# Altium PCB MB1261.PcbDoc (part 3 of 6) (continued)
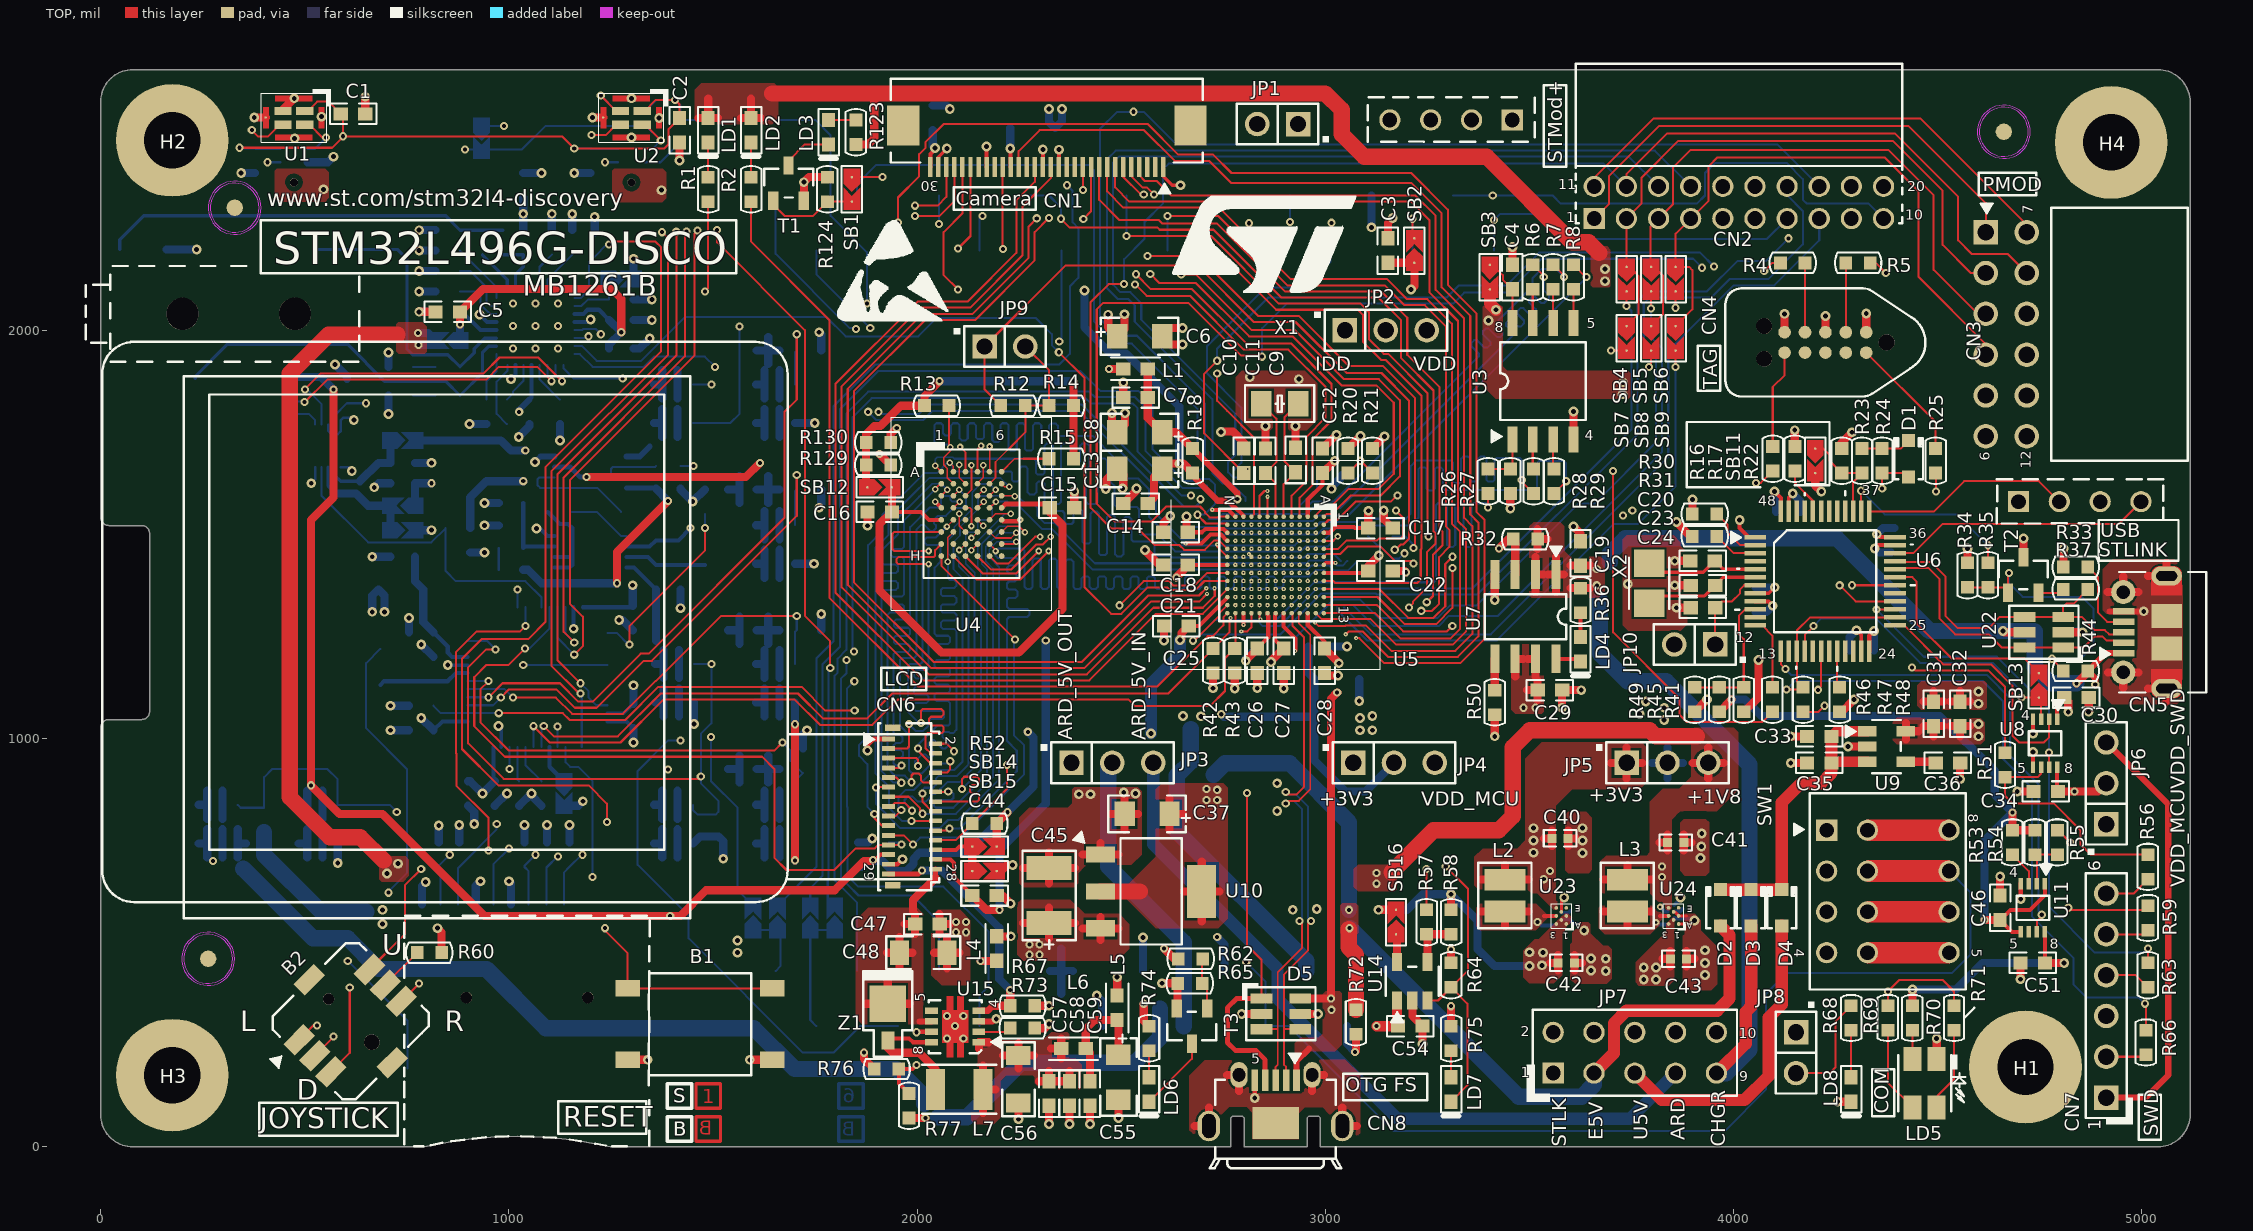
[diagram p0: TOP view]
## Nets (pads, with @x,y where several pads share a name; then routed paths per layer and width w, separated by ;. In a path a pad name is that pad's centre, name@x,y a point inside that pad or via, vN(x,y) a via of type N, cw(c..) or ccw(c..) an arc to the next point about the centre after c; other vN are vias at no path point) (continued)
  BOTTOM w5: v1(499,1824) 500,1824 499,1825 R88.2@465,1825 465,1800 470,1795 510,1795 525.38,1779.62 CN13.5@525.38,1768.59 ; U21.42@1079.84,978.74 1079.84,1024.65 v1(1085.16,1029.97) ; U18.3@1094.53,1914.72 1094.53,1889.25 1104.53,1879.25 v1(1104.53,1875)
DCMI_I2C2_SDA: CN1.27 CN13.4 R43.2 R87.1 U5.M13 U18.2 U21.43 | length 5469.4
  TOP w5: v1(500,1855) 539,1894 937.78,1894 976.89,1933.11 1071.89,1933.11 v1(1130,1875) ; v1(1060.16,1029.84) 1100,990 1273.14,990 1378.14,1095 1700,1095 1762,1033 1890,1033 1952,1095 2518,1095 2534,1079 2717,1079 2754.05,1116.05 2754.05,1195.95 R43.2@2778.1,1220 2779.67,1221.57 U5.M13@2779.67,1306.89 ; v1(1995,2280) 2055,2280 2091.29,2316.29 CN1.27@2091.29,2400
  L3_SIG w4: v1(500,1855) 480,1835 480,1720 695,1505 695,1400 775,1320 1040,1320 1070,1290 1070,1039.68 v1(1060.16,1029.84) ; v1(1130,1875) 1155,1900 1155,2032 1278,2155 1315,2155 1342.5,2182.5 1490.5,2182.5 1563,2255 1855,2255 1890,2290 1985,2290 v1(1995,2280)
  BOTTOM w5: v1(500,1855) 505,1855 R87.1@535,1825 541.13,1818.87 CN13.4@541.13,1768.59 ; U21.43@1060.16,978.74 v1(1060.16,1029.84) ; U18.2@1114.21,1914.72 1114.21,1890.79 v1(1130,1875)
DCMI_NRST: B1.1 B1.4 C10.1 CN1.26 CN15.3 D6.2 R25.2 SW1.7 U5.H3 | length 11056.6
  TOP w5: v1(1235,535) 1235,530 1290.93,474.07 B1.4@1290.93,387.5 B1.1@1645.27,387.5 ; v1(2100,2100) 2065,2135 2065,2240 2110.97,2285.97 CN1.26@2110.97,2400 ; v1(2735,1925) 2703,1893 2703,1747 C10.1@2800,1650 v3(2810,1660) ; R25.2@4495,1650 4496,1649 v1(4496,1605)
  L2_GND w3.5: 2828.98,1527.47 2828.98,1500.12 2834.9,1494.2 2848.87,1494.2 v3(2858.41,1503.74) ; 2829,1527.49 2829,1590
  L2_GND w5: v3(2810,1660) 2815,1655 2815,1604 2829,1590
  L3_SIG w4: v1(705,622) 712,615 725,615 765,575 1195,575 v1(1235,535) 1265,535 1345,615 1820.2,615 1829.2,624 2159.29,624 2168.29,615 2262,615 2302,575 2615,575 2738,452 v1(2806,452) ; v1(2100,2100) 2110,2090 2367,2090 2438,2019 2589,2019 2600,2030 2695,2030 2735,1990 v1(2735,1925) ; v1(3952,2156) 3973,2177 4362,2177 4496,2043 v1(4496,1605) 4496,884 4569,811 4569,715.9 SW1.7@4528.1,675
  BOTTOM w5: D6.2@685,1219.29 650,1184.29 650,1025 750,925 750,670 705,625 v1(705,622) ; v1(2735,1925) 2735,1955 2860,2080 3297,2080 3326.11,2109.11 3442.89,2109.11 3523.78,2190 3918,2190 v1(3952,2156) ; v1(2806,452) 2853.1,404.9 CN15.3@2853.1,295 2911,295 3168,38 3978,38 4080,140 4080,375 4130,425 4535,425 4580,470 4580,623.1 SW1.7@4528.1,675
DCMI_PIXCK: CN1.15 U5.L9 | length 2493.1
  TOP w5: CN1.15@2327.51,2400 2327.51,2372.51 2258,2303 2258,2183.44 2129.56,2055 2007.56,2055 1815,1862.44 1815,1370 2028,1157 2415.66,1157 2578.66,1320 2700,1320 2729,1349 2729,1367.1 v3(2728.3,1367.8)
  L2_GND w3.5: v3(2728.3,1367.8) 2759.92,1367.8 2768,1375.88 2789.62,1375.88 v3(2799.36,1385.63)
DCMI_PWR_EN: CN1.25 U21.16 | length 1954.5
  TOP w5: v1(2100,2200) 2130.66,2230.66 CN1.25@2130.66,2400
  L3_SIG w4: v1(1020.79,1365) 1070,1365 1120,1415 1120,1680 1205,1765 1205,1910 1250,1955 1250,2011 1369,2130 1515,2130 1585,2200 v1(2100,2200)
  BOTTOM w5: U21.16@1020.79,1321.26 v1(1020.79,1365)
DCMI_VSYNC: CN1.19 U5.E10 | length 2816.2
  TOP w5: CN1.19@2248.77,2400 2248.77,2438.77 2300,2490 2555.78,2490 2630.78,2415 2715,2415 2770,2360 3211.22,2360 3285,2286.22 3285,2104.88 3355,2034.88 3355,1548.78 3375,1528.78 3375,1250.12 3324.38,1199.5 3153.5,1199.5 3091.11,1261.89 3056.89,1261.89 v3(3050,1255)
  L2_GND w3.5: v3(2917.47,1365.94) 2927.22,1356.19 2941.2,1356.19 2947.09,1350.3 2947.09,1342.22 2952.8,1336.51 2961.59,1336.51 2968.25,1329.85 2968.25,1322.53 2974.78,1316 2982,1316 3023,1275 3030,1275
  L2_GND w5: 3030,1275 v3(3050,1255)
DFDATIN1: CN2.19 U5.N12 | length 2422.7
  TOP w5: v1(2675.73,1239.27) 2679.27,1239.27 2740,1300 2740,1306.58 U5.N12@2759.99,1326.57
  L3_SIG w4: v1(4135,2225) 4215,2225 4250,2260 4250,2313.47 CN2.19@4288.69,2352.16
  BOTTOM w5: v1(2675.73,1239.27) 2691.46,1255 2890,1255 2990,1355 3123.27,1355 3125.78,1352.49 3372.49,1352.49 3765,1745 3765,2071.22 3788.78,2095 3935,2095 4010,2170 4080,2170 v1(4135,2225)
E5V: C37.1 D2.1 JP7.3 R72.1 U10.2 U10.4 | length 2709
  TOP w20: 2618.1,776.98 C37.1@2618.1,815 ; 2618.1,853.02 C37.1@2618.1,815 ; 2651.12,815 C37.1@2618.1,815 ; 2653.6,625 U10.4@2697.12,625 ; 2697.12,551.98 U10.4@2697.12,625 ; 2697.12,698.02 U10.4@2697.12,625 ; 2740.64,625 U10.4@2697.12,625
  TOP w30: JP7.3@3658.1,180 3707,228.9 3707,302 3738,333 3960,333 3990,363 3990,518.55 D2.1@3967.84,540.71
  TOP w40: U10.2@2449.08,625 2545,625 ; v1@3057.1,533 3057.1,487.9 3075,470 R72.1@3075,335
  BOTTOM w40: 2726,911 2754,939 2913,939 3058,794 v1(3058,580) ; v1(3059.1,535) 3061,535 3474,122 3628.1,122 3658.1,152 JP7.3@3658.1,180
  other v1: 2708.95,849.02 2735,849 2735,874 2709,876
GND: B1.2 B1.3 C1.2 C2.2 C3.2 C4.2 C6.2 C7.2 C8.2 C9.1 C10.2 C11.1 C12.2 C13.2 C14.2 C15.2 C16.2 C17.2 C18.2 C19.1 C20.1 C21.2 C22.2 C23.1 C24.2 C25.2 C26.2 C27.2 C28.2 C29.1 C30.1 C31.2 C32.2 C33.2 C34.2 C35.2 C36.2 C37.2 C40.2 C41.2 C42.2 C43.2 C44.2 C45.2 C46.2 C51.1 C54.2 C60.2 C61.2 C62.2 C63.2 C71.1 C73.2 C74.2 C80.2 C81.2 C82.2 C83.1 C84.2 C85.1 C86.2 C87.2 C89.2 C90.2 C91.2 C92.2 C93.2 C94.2 C95.2 C96.2 C97.2 C98.2 C99.1 C100.2 C101.2 C102.2 C103.2 C104.2 C105.2 CN1.1 CN1.14 CN1.16 CN1.23 CN1.29 CN2.5 CN2.16 CN3.5 CN3.11 CN4.3 CN4.5 CN5.5 CN5.6 CN5.7 CN5.8 CN5.9 CN5.10 CN5.11 CN6.1 CN6.27 CN7.3 CN8.5 CN8.6 CN8.7 CN8.8 CN8.9 CN8.10 CN9.3 CN10.7 CN13.1 CN13.3 CN13.6 CN13.10 CN14.3 CN15.6 CN15.7 CN17.6 CN17.9 D5.2 D5.5 H1.1 H2.1 H3.1 H4.1 JP10.2 L4.1 LD5.1 LD8.2 R17.2 R20.1 R22.1 R30.1 R31.1 R33.1 R34.2 R48.1 R49.2 R50.1 R65.1 R80.1 R83.1 R84.1 R89.2 R91.1 R98.2 R104.2 R106.1 R109.1 R110.1 R112.2 R113.2 R124.2 SB15.1 SB22.1 T1.2 T3.2 U1.2 U1.5 U2.5 U3.4 U4.D1 U4.E6 U5.A7 U5.B3 U5.C2 U5.C12 U5.F2 U5.F13 U5.H2 U5.H12 U5.K2 U5.L13 U5.M1 U5.M3 U5.M7 U5.M11 U5.N4 U6.8 U6.23 U6.35 U6.47 U7.4 U8.4 U8.5 U9.2 U10.1 U11.4 U12.B2 U13.B2 U13.C1 U13.D2 U14.2 U16.3 U17.2 U17.3 U18.28 U18.33 U19.4 U20.4 U21.8 U21.23 U21.35 U21.47 U22.2 U23.D2 U24.A1 U24.C1 U24.D2 | length 13902.1
  TOP w7: U23.D2@3578.1,574.84 3578.1,603.1 v2(3585,610)
  TOP w8: U5.A7@2996.21,1425 3001.21,1430 v3(3025,1430) ; U24.D2@3853.1,574.84 3855.54,574.84 U24.C1@3865.38,565 3885,565 ; U24.A1@3865.38,545.31 3884.69,545.31
  TOP w9: CN1.29@2051.92,2400 2051.92,2423.76 2070,2441.84 2070,2442.2 v2(2072.69,2444.89) ; CN1.1@2603.1,2400 2603.1,2376.9 2625,2355 v2(2645,2355) ; U6.8@4052.84,1355.47 4086.47,1355.47 v2(4101,1370) ; U6.47@4135.52,1556.26 4135.52,1590.52 v2(4145,1600) ; v2(4301,1265) 4312.68,1253.32 U6.23@4312.68,1213.74 ; v2(4346,1465) 4354.58,1473.58 U6.35@4395.36,1473.58
  TOP w10: CN6.27@1930.26,691.6 1951.6,691.6 v2(1963.9,703.9) ; v6(2044,1580) U4.D1@2059.24,1564.76 ; CN1.23@2170.03,2400 v2(2170.03,2449.97) ; U4.E6@2206.92,1535.24 2210.16,1532 2248.76,1532 v6(2252,1535.24) ; CN1.16@2307.82,2400 v2(2307.82,2442.82) ; CN1.14@2347.19,2400 v2(2347.19,2442.19) ; v3(2658,1477) 2697,1477 2719,1499 2744,1499 2758.94,1484.06 U5.N4@2759.99,1484.06 ; v3(2723,1560) 2724,1559 2763.2,1559 2779.09,1543.11 U5.M1@2779.67,1543.11 ; v3(2799.36,1278) U5.L13@2799.36,1306.89 ; U5.F13@2897.79,1306.89 2897.79,1274.21 2927,1245 2927,1215 v3(2926,1214) ; v2(4703.57,606.43) U11.4@4703.57,644.06 ; U8.5@4733.57,928.94 v2(4733.57,966.43) ; v2(4733.57,1011.43) U8.4@4733.57,1047.06
  TOP w12: v2(1878,970) 1878,983.68 1893,998.68 CN6.1@1930.26,998.68 ; v2(2826.92,119.3) CN8.5@2826.92,162.8
  TOP w15: 4921.18,1311.18 CN5.5@4955.7,1311.18 v2(5005,1311.18)
  TOP w20: v2(376,2521) U1.5@404.1,2521 ; U1.2@446.53,2536.73 446.53,2540.53 v2(474,2568) ; C1.2@648.1,2530 v2(648.1,2571.9) ; v2(1205,2521) U2.5@1230.79,2521 ; B1.3@1290.93,212.5 v2(1340,212.5) ; v2(1418.1,2415.9) C2.2@1418.1,2460 ; v2(1590,212.5) B1.2@1645.27,212.5 ; T1.2@1722.4,2316.69 v2(1722.4,2362.6) 1734.8,2375 R124.2@1780,2375 ; v2(1878.1,1521) C16.2@1878.1,1555 ; L4.1@2195,515 v2(2229.5,515) ; C44.2@2195,615 2209.03,615 v2(2229.03,595) ; SB15.1@2195,675 2205,675 2220,690 v2(2234,690) ; 2260.08,682.5 C45.2@2323.1,682.5 ; 2323.1,644.98 C45.2@2323.1,682.5 ; 2323.1,720.02 C45.2@2323.1,682.5 ; C15.2@2385,1565 v2(2385,1605) ; 2386.12,682.5 C45.2@2323.1,682.5 ; 2405.56,715.55 U10.1@2449.08,715.55 ; 2449.08,743.57 U10.1@2449.08,715.55 ; v2(2462,1611) 2464,1613 2464,1634 C13.2@2490,1660 2505,1645 2505,1614 v2(2503,1612) ; 2475.08,815 C37.2@2508.1,815 ; v2(2477,1797) 2477,1764 2490,1751 C8.2@2490,1750 2509,1769 v2(2509,1797) ; 2492.6,715.55 U10.1@2449.08,715.55 ; C14.2@2505,1575 2537,1607 v2(2537,1612) ; C7.2@2505,1835 v2(2505,1872) ; 2508.1,776.98 C37.2@2508.1,815 ; 2508.1,853.02 C37.2@2508.1,815 ; 2541.12,815 C37.2@2508.1,815 ; v2(2558,1461.5) 2558,1460.5 2593.5,1425 C21.2@2603.1,1425 ; v2(2600,400) R65.1@2638.1,400 2638.1,340.71 T3.2@2635.7,338.31 ; C18.2@2603.1,1505 2603.1,1528.1 v2(2620,1545) ; v2(2605,1240) C25.2@2605,1275 ; v2(2650,1965) 2620,1965 C6.2@2600,1985 2620,2005 v2(2650,2005) ; 2679.19,50.4 CN8.8@2714.71,50.4 2714.71,95.92 ; v2(2744.24,1750.91) 2745,1750.91 2745,1751.67 2773.33,1751.67 2800,1725 C10.2@2800,1710 ; 2759.51,175.6 CN8.7@2788.53,175.6 2788.53,136.08 ; v2(2795,325) D5.2@2843.65,325 ; v2(2833.1,1122.9) C26.2@2833.1,1160 ; C11.1@2853.1,1710 v2(2853.1,1765) ; v2(2898.1,1121.9) C27.2@2898.1,1160 ; C9.1@2927.1,1712 v2(2927.1,1765) ; D5.5@2938.13,325 v2(2982,325) ; 2967.67,136.08 CN8.6@2967.67,175.6 2996.69,175.6 ; C12.2@2993.1,1710 v2(3027,1743.9) ; C28.2@2998.1,1160 3004.1,1154 v2(3031.1,1154) ; 3041.49,95.92 CN8.9@3041.49,50.4 3077.01,50.4 ; R20.1@3055,1710 v2(3086,1741) ; v2(3143.1,1558) 3143.1,1536.9 C17.2@3165,1515 ; C3.2@3153.1,2225 3153.1,2263.1 v2(3165,2275) ; C22.2@3165,1410 3194.74,1410 v1(3197.74,1407) ; U14.2@3213.1,357.76 3213.1,320 C54.2@3238.1,295 v2(3238.1,251.1) ; v2(3415,1005) R50.1@3415,1058.1 ; v2(3415,1339) U7.4@3415,1401.4 ; C4.2@3458.1,2160 v2(3458.1,2204.1) ; v2(3580,1075) C29.1@3580,1118.1 v2(3626.9,1118.1) ; 3595,735.98 C40.2@3595,755 ; 3595,774.02 C40.2@3595,755 ; v2(3608,1519) 3625,1502 C19.1@3625,1483.1 ; U3.4@3608.1,1732.28 v2(3608.1,1801.1) ; 3610,430.98 C42.2@3610,450 ; 3610,469.02 C42.2@3610,450 ; 3614.02,755 C40.2@3595,755 ; 3629.02,450 C42.2@3610,450 ; v2(3856,1375) C23.1@3895,1375 ; v2(3856,1435) C20.1@3894.1,1435 ; v2(3860,1320) C24.2@3895,1320 ; v2(3860,1530) 3895,1495 R31.1@3899.1,1495 ; 3878.1,725.98 C41.2@3878.1,745 ; 3878.1,764.02 C41.2@3878.1,745 ; 3885,440.98 C43.2@3885,460 ; 3885,479.02 C43.2@3885,460 ; 3897.12,745 C41.2@3878.1,745 ; R30.1@3899.1,1550 v2(3899.1,1585) ; 3904.02,460 C43.2@3885,460 ; R49.2@3905,1065 v2(3935,1095) ; CN4.5@4125,1995 v2(4125,2040) ; v2(4140,940) C35.2@4180,940 ; v2(4140,1005) C33.2@4180,1005 ; R17.2@4150,1715 v2(4150,1755) ; CN4.3@4225,1995 v2(4225,2035) ; v2(4255,110) LD8.2@4288.1,110 ; R48.1@4260,1065 4265,1065 v2(4295,1095) ; R22.1@4265,1710 4265,1725 v2(4290,1750) ; v2(4280,980) U9.2@4327.76,980 ; 4465.98,1090 C31.2@4490,1090 ; 4490,1115.52 C31.2@4490,1090 ; LD5.1@4497.63,214.06 v2(4497.63,265) ; 4514.02,1090 C31.2@4490,1090 ; 4530.98,1090 C32.2@4555,1090 ; v2(4555,900) C36.2@4555,940 ; 4555,1115.52 C32.2@4555,1090 ; R34.2@4573.1,1430 v2(4573.1,1465) ; 4579.02,1090 C32.2@4555,1090 ; C46.2@4653.1,615 v2(4653.1,661.9) ; v2(4695,870) C34.2@4735,870 ; v2(4703.1,410) C51.1@4703.1,450 ; U22.2@4807.24,1260 v2(4855,1260) ; R33.1@4808.1,1420 v2(4808.1,1465) ; v2(4870,1065) C30.1@4870,1100 ; 4916.43,1358.43 CN5.9@4954.71,1358.43 ; 4917.19,1161.57 CN5.8@4954.71,1161.57 ; 4954.71,1124.05 CN5.8@4954.71,1161.57 ; 4954.71,1395.95 CN5.9@4954.71,1358.43 ; 4992.23,1161.57 CN5.8@4954.71,1161.57 ; 4992.23,1358.43 CN5.9@4954.71,1358.43 ; 5015.49,1122.2 CN5.6@5061.01,1122.2 5061.01,1090.68 ; 5015.49,1397.8 CN5.7@5061.01,1397.8 5061.01,1429.32
  L2_GND w8: 2701,1425 v3(2779.67,1425) ; 2762,1512 2770.26,1503.74 v3(2779.67,1503.74) ; 2806,1591 2817,1580 2817,1544.37 2818.86,1542.51 2818.86,1523.61 v3(2819.04,1523.43) ; v3(2858.41,1523.43) 2862,1527.02 2862,1567
  L2_GND w9: v3(2956.84,1326.76) 2958,1325.6 2958,1315.32
  L2_GND w20: 2679.19,50.4 CN8.8@2714.71,50.4 2714.71,95.92 ; 2759.51,175.6 CN8.7@2788.53,175.6 ; 2788.53,136.08 CN8.7@2788.53,175.6 ; 2788.53,215.12 CN8.7@2788.53,175.6 ; 2817.55,175.6 CN8.7@2788.53,175.6 ; 2938.65,175.6 CN8.6@2967.67,175.6 ; 2967.67,136.08 CN8.6@2967.67,175.6 ; 2967.67,215.12 CN8.6@2967.67,175.6 ; 2996.69,175.6 CN8.6@2967.67,175.6 ; 3041.49,95.92 CN8.9@3041.49,50.4 3077.01,50.4 ; 3224.08,2515 CN9.3@3258.1,2515 ; 3258.1,2480.98 CN9.3@3258.1,2515 ; 3258.1,2549.02 CN9.3@3258.1,2515 ; 3292.12,2515 CN9.3@3258.1,2515 ; 3816.98,1230 JP10.2@3855,1230 ; 3855,1191.98 JP10.2@3855,1230 ; 3855,1268.02 JP10.2@3855,1230 ; 3893.02,1230 JP10.2@3855,1230 ; 3939.71,2273.42 CN2.5@3973.73,2273.42 ; 3973.73,2239.4 CN2.5@3973.73,2273.42 ; 3973.73,2307.44 CN2.5@3973.73,2273.42 ; 4007.75,2273.42 CN2.5@3973.73,2273.42 ; 4018.45,2352.16 CN2.16@4052.47,2352.16 ; 4052.47,2318.14 CN2.16@4052.47,2352.16 ; 4052.47,2386.18 CN2.16@4052.47,2352.16 ; 4086.49,2352.16 CN2.16@4052.47,2352.16 ; 4580.08,1840 CN3.5@4618.1,1840 ; 4618.1,1801.98 CN3.5@4618.1,1840 ; 4618.1,1878.02 CN3.5@4618.1,1840 ; 4656.12,1840 CN3.5@4618.1,1840 ; 4680.08,1840 CN3.11@4718.1,1840 ; 4718.1,1801.98 CN3.11@4718.1,1840 ; 4718.1,1878.02 CN3.11@4718.1,1840 ; 4756.12,1840 CN3.11@4718.1,1840 ; 4864.08,1580 CN14.3@4898.1,1580 ; 4875.08,320 CN7.3@4913.1,320 ; 4898.1,1545.98 CN14.3@4898.1,1580 ; 4898.1,1614.02 CN14.3@4898.1,1580 ; 4913.1,281.98 CN7.3@4913.1,320 ; 4913.1,358.02 CN7.3@4913.1,320 ; 4917.19,1161.57 CN5.8@4954.71,1161.57 ; 4917.19,1358.43 CN5.9@4954.71,1358.43 ; 4932.12,1580 CN14.3@4898.1,1580 ; 4951.12,320 CN7.3@4913.1,320 ; 4954.71,1124.05 CN5.8@4954.71,1161.57 ; 4954.71,1199.09 CN5.8@4954.71,1161.57 ; 4954.71,1320.91 CN5.9@4954.71,1358.43 ; 4954.71,1395.95 CN5.9@4954.71,1358.43 ; 4992.23,1161.57 CN5.8@4954.71,1161.57 ; 4992.23,1358.43 CN5.9@4954.71,1358.43 ; 5015.49,1122.2 CN5.6@5061.01,1122.2 ; 5015.49,1397.8 CN5.7@5061.01,1397.8 ; 5061.01,1090.68 CN5.6@5061.01,1122.2 ; 5061.01,1153.72 CN5.6@5061.01,1122.2 ; 5061.01,1366.28 CN5.7@5061.01,1397.8 ; 5061.01,1429.32 CN5.7@5061.01,1397.8
  L5_GND w10: v7(2845,1660) 2845,1680 v5(2854,1689) 2865,1678 v7(2865,1660)
  L5_GND w20: 2679.19,50.4 CN8.8@2714.71,50.4 2714.71,95.92 ; 2759.51,175.6 CN8.7@2788.53,175.6 ; 2788.53,136.08 CN8.7@2788.53,175.6 ; 2788.53,215.12 CN8.7@2788.53,175.6 ; 2817.55,175.6 CN8.7@2788.53,175.6 ; 2938.65,175.6 CN8.6@2967.67,175.6 ; 2967.67,136.08 CN8.6@2967.67,175.6 ; 2967.67,215.12 CN8.6@2967.67,175.6 ; 2996.69,175.6 CN8.6@2967.67,175.6 ; 3041.49,95.92 CN8.9@3041.49,50.4 3077.01,50.4 ; 3224.08,2515 CN9.3@3258.1,2515 ; 3258.1,2480.98 CN9.3@3258.1,2515 ; 3258.1,2549.02 CN9.3@3258.1,2515 ; 3292.12,2515 CN9.3@3258.1,2515 ; 3816.98,1230 JP10.2@3855,1230 ; 3855,1191.98 JP10.2@3855,1230 ; 3855,1268.02 JP10.2@3855,1230 ; 3893.02,1230 JP10.2@3855,1230 ; 3939.71,2273.42 CN2.5@3973.73,2273.42 ; 3973.73,2239.4 CN2.5@3973.73,2273.42 ; 3973.73,2307.44 CN2.5@3973.73,2273.42 ; 4007.75,2273.42 CN2.5@3973.73,2273.42 ; 4018.45,2352.16 CN2.16@4052.47,2352.16 ; 4052.47,2318.14 CN2.16@4052.47,2352.16 ; 4052.47,2386.18 CN2.16@4052.47,2352.16 ; 4086.49,2352.16 CN2.16@4052.47,2352.16 ; 4580.08,1840 CN3.5@4618.1,1840 ; 4618.1,1801.98 CN3.5@4618.1,1840 ; 4618.1,1878.02 CN3.5@4618.1,1840 ; 4656.12,1840 CN3.5@4618.1,1840 ; 4680.08,1840 CN3.11@4718.1,1840 ; 4718.1,1801.98 CN3.11@4718.1,1840 ; 4718.1,1878.02 CN3.11@4718.1,1840 ; 4756.12,1840 CN3.11@4718.1,1840 ; 4864.08,1580 CN14.3@4898.1,1580 ; 4875.08,320 CN7.3@4913.1,320 ; 4898.1,1545.98 CN14.3@4898.1,1580 ; 4898.1,1614.02 CN14.3@4898.1,1580 ; 4913.1,281.98 CN7.3@4913.1,320 ; 4913.1,358.02 CN7.3@4913.1,320 ; 4917.19,1161.57 CN5.8@4954.71,1161.57 ; 4917.19,1358.43 CN5.9@4954.71,1358.43 ; 4932.12,1580 CN14.3@4898.1,1580 ; 4951.12,320 CN7.3@4913.1,320 ; 4954.71,1124.05 CN5.8@4954.71,1161.57 ; 4954.71,1199.09 CN5.8@4954.71,1161.57 ; 4954.71,1320.91 CN5.9@4954.71,1358.43 ; 4954.71,1395.95 CN5.9@4954.71,1358.43 ; 4992.23,1161.57 CN5.8@4954.71,1161.57 ; 4992.23,1358.43 CN5.9@4954.71,1358.43 ; 5015.49,1122.2 CN5.6@5061.01,1122.2 ; 5015.49,1397.8 CN5.7@5061.01,1397.8 ; 5061.01,1090.68 CN5.6@5061.01,1122.2 ; 5061.01,1153.72 CN5.6@5061.01,1122.2 ; 5061.01,1366.28 CN5.7@5061.01,1397.8 ; 5061.01,1429.32 CN5.7@5061.01,1397.8
  BOTTOM w6: v2(515.63,1625) 525.38,1634.75 CN13.6@525.38,1664.25 ; CN13.3@556.88,1768.59 556.88,1753.75 565.63,1745 580.63,1745 588.38,1752.75 CN13.1@588.38,1768.59 588.38,1780 593.38,1785 615,1785 v2(620,1780) ; CN13.10@588.38,1664.25 605.75,1664.25 v2(615,1655)
  BOTTOM w9: v2(850,1179.53) U21.8@898.74,1179.53 ; v2(974.14,1030.41) 981.42,1023.13 U21.47@981.42,978.74 ; U18.28@1160.28,2019.84 1193.83,2019.84 v2(1200.22,2026.23) ; U21.35@1241.26,1061.42 1281.42,1061.42 C101.2@1305,1085 ; U12.B2@3577.87,557.13 3597.87,557.13 3609.5,545.5 3617.5,545.5 ; v6(3820,587) 3831.13,575.87 U13.C1@3839.13,575.87 ; U13.D2@3854.87,591.62 3870,606.75 v2(3870,610)
  BOTTOM w10: v2(1067.5,1514) 1076,1514 1094.71,1495.29 U20.4@1112.01,1495.29 ; v2(1158.58,1268.58) U21.23@1158.58,1321.26 ; U13.B2@3854.87,560.13 3856,559 3899,559 v2(3904,554)
  BOTTOM w14: v2(1064,1677) 1077.29,1690.29 U19.4@1112.01,1690.29
  BOTTOM w20: v2(344,2385) C63.2@378.1,2385 ; U17.2@506.07,2411.34 556.34,2411.34 v2(570,2425) ; v2(574,1916) 603,1887 R89.2@603,1881 ; v2(665,1310) 665,1350 C91.2@680,1365 695,1350 v2(695,1310) ; v2(670,1615) 680,1625 C82.2@710,1625 ; v2(710,1020) C102.2@755,1020 ; v2(710,1080) R109.1@755,1080 ; C94.2@755,1260 v2(755,1295) ; SB22.1@770,1510 v2(810,1510) ; C80.2@770,1675 v2(810,1675) ; v2(785,1230) C99.1@815,1200 ; CN17.9@786.6,593.35 786.6,638.6 v2(796,648) ; R104.2@905,1455 v2(940,1455) ; CN17.6@918.49,593.35 918.49,638.49 v2(930,650) ; v2(940,1521.9) R98.2@975,1521.9 ; v2(940,1576.9) C85.1@975,1576.9 ; C103.2@965,835 v2(995,865) ; R113.2@1025,835 v2(1055,865) 1055,860 R112.2@1080,835 ; R80.1@1035,2385 v2(1080,2385) ; v2(1125,1730) R91.1@1125,1770 ; v2(1160,2385) C62.2@1200,2385 ; R83.1@1210,2240 v2(1210,2277.9) ; v2(1270,1290) 1278.1,1290 C93.2@1303.1,1265 ; C101.2@1305,1085 v2(1305,1130) ; C74.2@1305,1955 1320,1955 v2(1345,1980) ; C73.2@1305,2025 v2(1350,2025) ; C71.1@1305,2075 v2(1350,2075) ; v2(1420,1319) C90.2@1420,1365 ; C83.1@1420,1611.9 1420,1610 v2(1450,1580) C84.2@1480,1610 ; R110.1@1720,975 1720,1010 v2(1730,1020) ; v2(1760,1995) 1765,1990 R84.1@1765,1950 ; R106.1@1765,1265 v2(1765,1305) ; C104.2@1855,745 1880,745 v2(1890,755) ; C60.2@2038.1,2550 2072,2550 v2(2080,2542) ; v2(2323.1,2542) 2323.1,2510 C61.2@2338.1,2495 2355,2511.9 v2(2355,2542) ; v2(2440,370) 2453.1,356.9 CN15.7@2453.1,295 ; CN15.6@2553.1,430 v2(2553.1,511.9) ; v2(2833.1,1122.9) C98.2@2833.1,1160 ; v2(2898.1,1121.9) C97.2@2898.1,1160 ; C95.2@3018.1,1225 v2(3053,1225) ; v2(3083.1,1091.9) C100.2@3083.1,1145 ; v2(3113.1,2252) CN10.7@3113.1,2330 ; C89.2@3165,1410 3194.74,1410 v1(3197.74,1407) ; C92.2@4054.1,1370 v2(4101,1370) ; v2(4145,1600) 4164.1,1580.9 C86.2@4164.1,1555 ; C96.2@4284.1,1215 4284.1,1248.1 v2(4301,1265) ; v2(4346,1465) 4356,1455 C87.2@4386,1455 ; C105.2@4798,1262 4853,1262 v2(4855,1260)
  other v1: 1010,1955 1065,1955 1120,1955 1010,2010 1065,2010 1120,2010 1010,2065 1065,2065 1120,2065
  other v2: 3930,420 3687,430 3651,431 3930,450 3687,460 3651,461 3930,481 3634,529 2920,580 2979,582 3919,707 3630,719 3921,735 3630,750 3922,767 3630,780 2882,822 2396,863 2425,863 2535,865 2506.1,867.52 2882,890 4600,1085 4600,1115 3741,1378 2935,1880 2815,1885 1374,2343 546,2345 475,2470 1300,2472 1368,2520 541,2523 1300,2568
  other v3: 2858.41,1326.57 2779.67,1346.26 2976.53,1503.74 2897.79,1523.43 2956.84,1523.43
IDD_MEAS: C84.1 R102.1 U21.25 | length 492.6
  TOP w5: v1(1295,1230) 1295,1275 1480,1460 v1(1480,1515.5)
  BOTTOM w5: U21.25@1241.26,1258.27 1264.18,1258.27 1292.45,1230 v1(1295,1230) ; R102.1@1480,1485 v1(1480,1515.5) C84.1@1480,1550
JOY_DOWN: B2.3 U5.A1 | length 4801.8
  TOP w5: B2.3@563.7,183.27 610,229.57 v1(610,390) ; v1(2647,2136) 2683.69,2136 2819.69,2000 2925.69,2000 3045.69,1880 3131.22,1880 3182.5,1828.72 3182.5,1641.78 3136.22,1595.5 3062.72,1595.5 3017.22,1550 3003.1,1550 U5.A1@2996.21,1543.11
  L3_SIG w4: v1(610,390) 625,405 625,787.44 847.56,1010 1167.56,1010 1210,1052.44 1210,1555 1235,1580 1235,1891.22 1285,1941.22 1362.56,1941.22 1603.34,2182 2536,2182 2558,2160 2623,2160 v1(2647,2136)
JOY_LEFT: B2.1 U5.B1 | length 4748
  TOP w5: B2.1@485.75,261.22 485.75,261.69 520.56,296.5 v1(530,296.5) ; v1(2571,2138) 2593.5,2115.5 2682.97,2115.5 2813.47,1985 2919.47,1985 3039.47,1865 3125,1865 3167.5,1822.5 3167.5,1648 3130,1610.5 3056.5,1610.5 3011,1565 2995,1565 2976.53,1546.53 U5.B1@2976.53,1543.11
  L3_SIG w4: v1(530,296.5) 571.5,296.5 640,365 640,781.22 853.78,995 1173.78,995 1225,1046.22 1225,1541.98 1252.5,1569.48 1252.5,1887.5 1291.22,1926.22 1368.78,1926.22 1612.56,2170 2528,2170 2560,2138 v1(2571,2138)
JOY_RIGHT: B2.4 U5.M5 | length 3778.6
  TOP w5: B2.4@736.31,355.88 v1(780,399.57)
  L2_GND w3.5: v5(2703.02,1502.06) 2718.98,1486.1 2718.98,1471.98 2727.66,1463.3 2740.09,1463.3 2742.79,1466 2778.04,1466 v3(2779.67,1464.37)
  L3_SIG w4: v1(780,399.57) 667,512.57 667,735 877,945 946,945 998.5,892.5 1066.5,892.5 1087,872 1658,872 1775,989 1775,1096 1863,1184 1863,1222 1785,1300 1785,1730 1855,1800 v1(1880,1800)
  L5_GND w3.5: v7(2703.02,1487.02) v5(2703.02,1502.06)
  BOTTOM w5: v1(1880,1800) 1900,1780 2015,1780 2037.5,1802.5 2397.5,1802.5 2585,1615 2585,1550 2647.98,1487.02 v7(2703.02,1487.02)
JOY_SEL: B2.2 U5.E1 | length 4409.2
  TOP w5: B2.2@524.73,222.25 570,267.52 v1(570,270) ; v1(2533.92,2112.08) 2562,2084 2668.5,2084 2800,1952.5 2909.53,1952.5 3000,1862.03 3000,1785 2954,1739 2954,1631 2917.47,1594.47 U5.E1@2917.47,1543.11
  L3_SIG w4: v1(570,270) 655,355 655,775 860,980 1180,980 1240,1040 1240,1540 1282.5,1582.5 1282.5,1797.5 1631,2146 2500,2146 v1(2533.92,2112.08)
JOY_UP: B2.6 U5.C11 | length 3221
  TOP w5: B2.6@658.36,433.83 745,520.47 745,640 v1(785,680)
  L2_GND w3.5: v3(2956.84,1346.26) 2963.44,1346.26 2966.78,1342.92 2966.78,1342.22 2972.49,1336.51 2973.19,1336.51 2973.38,1336.32 2999.64,1336.32 3015.96,1320 3030,1320
  L2_GND w5: 3030,1320 3057.22,1320 3069.48,1307.74 v5(3069.83,1307.74)
  L3_SIG w4: v1(785,680) 875,680 945,750 1262.92,750 1296.92,784 1804,784 1868,848 1918.98,848 1933.36,862.38 1989.52,862.38 2003.9,848 2049.02,848 2057.02,840 2080,840 2135,785 2771,785 2838,852 2838,895 3012.5,1069.5 3031.5,1069.5 3115,1153 3115,1270 3077.26,1307.74 v5(3069.83,1307.74)
LCD_BL: R76.1 R77.1 U5.A12 U15.7 | length 2847.8
  TOP w3.5: 3126,1326.57 3126.84,1325.73
  TOP w5: U5.A12@2996.21,1326.57 3126,1326.57 ; 3126.84,1325.73 3190.57,1262 3298,1262 v1(3311,1275)
  TOP w10: R77.1@1980,130 1955,155 R76.1@1955,190 1988.1,190 v1(1998.1,200) ; v1(1998.1,280) 1999.3,281.2 U15.7@2035.03,281.2
  L3_SIG w4: v1(1998.1,280) 1998.1,335.1 2214.5,551.5 2611.5,551.5 2745,418 3003,418 3196,611 3257,611 3360,714 3360,1020 3311,1069 v1(3311,1275)
  L3_SIG w10: v1(1998.1,200) v1(1998.1,280)
LCD_NE: CN6.22 R52.1 U5.F7 | length 1441.6
  TOP w5: CN6.22@2044.44,750.65 2094.27,750.65 R52.1@2135,791.38 2220,876.38 v1(2220,935)
  L3_SIG w3.5: v4(2897.79,1425) 2892,1425 2882.25,1415.25 2874.25,1415.25 2868.35,1409.35 2868.35,1344.87 2915.22,1298 2926,1298
  L3_SIG w4: v1(2220,935) 2291,935 2339.5,983.5 2788.5,983.5 2947.5,1142.5 2947.5,1276.5 2926,1298
LCD_OE: CN6.19 U4.A2 U5.C7 | length 3032.6
  TOP w4: v6(2080,1675) 2088.81,1666.19 U4.A2@2088.81,1653.35
  TOP w5: v1(1895,815) 1895,805 1913.91,786.09 CN6.19@1930.26,786.09
  L2_GND w3.5: v3(2956.84,1425) 2966.78,1415.06 2980.57,1415.06 2981.38,1414.25 3034.03,1414.25 3036.78,1417 v5(3038,1417)
  L5_GND w3.5: v5(3038,1417) v7(3038,1435)
  BOTTOM w4: 2005,1637.44 2017.56,1650 2049,1650 2074,1675 v6(2080,1675)
  BOTTOM w5: v1(1895,815) 1878,832 1878,937 1858,957 1858,984 1880,1006 1880,1473.1 1915,1508.1 1915,1547.44 2005,1637.44 ; v6(2080,1675) 2086.5,1668.5 2086.5,1660.5 2093,1654 2229,1654 2232,1651 2232,1634 2237,1629 2245.62,1629 2250.62,1634 2250.62,1661 2255.62,1666 2265.62,1666 2270.62,1661 2270.62,1603 2275.62,1598 2287,1598 2292,1603 2292,1624 2297,1629 2307,1629 2312,1624 2312,1562 2317,1557 2356,1557 2361,1552 2361,1530 2366,1525 2378,1525 2383,1530 2383,1557 2388,1562 2399.5,1562 2404.5,1557 2404.5,1482 2409.5,1477 2420.04,1477 2425.04,1482 2425.04,1551 2430.04,1556 2440.04,1556 2445.04,1551 2445.04,1454 2450.04,1449 2460.16,1449 2465.16,1454 2465.16,1542 2470.16,1547 2480.16,1547 2485.16,1542 2485.16,1451 2490.16,1446 2500.16,1446 2505.16,1451 2505.16,1537 2510.16,1542 2520.16,1542 2525.16,1537 2525.16,1486.84 2530,1482 2576,1482 2581,1477 2581,1452 2586,1447 2621,1447 2625,1443 2948,1443 2957,1452 3020,1452 3037,1435 v7(3038,1435)
LCD_PWR_ON: R115.2 T11.3 T12.3 U5.H1 | length 4164.5
  TOP w5: U5.H1@2858.41,1543.11 v4(2858.45,1592) v4(2858.45,1592)
  L3_SIG w4: v1(725,820) 870,965 1095,965 1159,901 1414,901 1455,942 1455,1007 1530,1082 1530,1905 1708,2083 2053.04,2083 2085.04,2051 2355.06,2051 2425.06,1981 2556.18,1981 2616.18,1921 2651.98,1921 2838.99,1733.99 2848.93,1733.99 2871.84,1734 2897,1708.84 2897,1624.21 2864.79,1592 v4(2858.45,1592)
  BOTTOM w5: T12.3@335.5,837.24 342.74,830 R115.2@400,830 400,905 420,925 555,925 580.5,899.5 T11.3@580.5,837.24 707.76,837.24 v1(725,820)
LCD_RST: CN6.23 R117.2 U21.20 | length 1784.7
  TOP w5: v1(1039,1220) 999,1180 945,1180 915,1150 915,1030 990,955 1620,955 1650,925 1650,707.5 1680,677.5 1796.5,677.5 1849.5,730.5 1896.55,730.5 1904.89,738.84 CN6.23@1930.26,738.84 1958.68,738.84 1959.84,740 v1(1961.26,740)
  BOTTOM w5: v1(1039,1220) 1050,1220 1099.53,1269.53 U21.20@1099.53,1321.26 ; R117.2@1930,745 1954.84,745 1959.84,740 v1(1961.26,740)
LCD_TE: CN6.2 U5.D12 | length 1334.8
  TOP w5: CN6.2@2044.44,986.87 2072.07,986.87 v1(2090.47,968.47)
  L2_GND w3.5: v3(2937.16,1326.57) 2937.16,1307.09 2947.5,1296.75 2947.5,1282.5 2960,1270 v5(2961,1270)
  L3_SIG w3.5: v5(2961,1270) 2964.06,1270 2984,1250.06
  L3_SIG w4: v1(2090.47,968.47) 2129.47,929.47 2177.53,929.47 2270,837 2570,837 2692,959 2798.98,959 2971.5,1131.52 2971.5,1203.5 2986,1218 2986,1248.06 2984,1250.06

## Text inside footprints (layer, text, board x,y; h text height)
R51: DXF_0731 "Remark: ***" at 4727,1062 h25 r270; DXF_0731 "Rev   : B1" at 4767,1062 h25 r270; DXF_0731 "Date  : 2007-05-10" at 4807,1062 h25 r270; DXF_0731 "Creat : Sofer Tech" at 4847,1062 h25 r270; DXF_0731 "Ref PN: ***" at 4887,1062 h25 r270; DXF_0731 "Sofer Lib Information" at 4937,1092 h25 r270; DXF_0731 "RC0603JR-07510RL" at 4783,935 h20 r270; DXF_0731 "Approved" at 4777,935 h35 r270; DXF_0731 "R0603" at 4660,935 h30 r270; DXF_0731 "2" at 4671.4,905 h16 r270; DXF_0731 "1" at 4671.4,965 h16 r270
R52: DXF_0731 "1" at 2135,797.78 h16; DXF_0731 "2" at 2195,797.78 h16; DXF_0731 "R0603" at 2165,786.38 h30; DXF_0731 "Approved" at 2165,903.38 h35; DXF_0731 "RC0603JR-07510RL" at 2165,909.38 h20; DXF_0731 "Sofer Lib Information" at 2008,1063.38 h25; DXF_0731 "Ref PN: ***" at 2038,1013.38 h25; DXF_0731 "Creat : Sofer Tech" at 2038,973.38 h25; DXF_0731 "Date  : 2007-05-10" at 2038,933.38 h25; DXF_0731 "Rev   : B1" at 2038,893.38 h25; DXF_0731 "Remark: ***" at 2038,853.38 h25
R53: DXF_0731 "1" at 4676.7,715 h16 r90; DXF_0731 "2" at 4676.7,775 h16 r90; DXF_0731 "R0603" at 4688.1,745 h30 r90; DXF_0731 "Approved" at 4571.1,745 h35 r90; DXF_0731 "RC0603JR-07510RL" at 4565.1,745 h20 r90; DXF_0731 "Sofer Lib Information" at 4411.1,588 h25 r90; DXF_0731 "Ref PN: ***" at 4461.1,618 h25 r90; DXF_0731 "Creat : Sofer Tech" at 4501.1,618 h25 r90; DXF_0731 "Date  : 2007-05-10" at 4541.1,618 h25 r90; DXF_0731 "Rev   : B1" at 4581.1,618 h25 r90; DXF_0731 "Remark: ***" at 4621.1,618 h25 r90
R54: DXF_0731 "Remark: ***" at 4676.1,618 h25 r90; DXF_0731 "Rev   : B1" at 4636.1,618 h25 r90; DXF_0731 "Date  : 2007-05-10" at 4596.1,618 h25 r90; DXF_0731 "Creat : Sofer Tech" at 4556.1,618 h25 r90; DXF_0731 "Ref PN: ***" at 4516.1,618 h25 r90; DXF_0731 "Sofer Lib Information" at 4466.1,588 h25 r90; DXF_0731 "RC0603JR-07510RL" at 4620.1,745 h20 r90; DXF_0731 "Approved" at 4626.1,745 h35 r90; DXF_0731 "R0603" at 4743.1,745 h30 r90; DXF_0731 "2" at 4731.7,775 h16 r90; DXF_0731 "1" at 4731.7,715 h16 r90
R55: DXF_0731 "Remark: ***" at 4855.1,872 h25 r270; DXF_0731 "Rev   : B1" at 4895.1,872 h25 r270; DXF_0731 "Date  : 2007-05-10" at 4935.1,872 h25 r270; DXF_0731 "Creat : Sofer Tech" at 4975.1,872 h25 r270; DXF_0731 "Ref PN: ***" at 5015.1,872 h25 r270; DXF_0731 "Sofer Lib Information" at 5065.1,902 h25 r270; DXF_0731 "RC0603JR-07510RL" at 4911.1,745 h20 r270; DXF_0731 "Approved" at 4905.1,745 h35 r270; DXF_0731 "R0603" at 4788.1,745 h30 r270; DXF_0731 "2" at 4799.5,715 h16 r270; DXF_0731 "1" at 4799.5,775 h16 r270
R56: DXF_0731 "1" at 5008.6,655 h16 r90; DXF_0731 "2" at 5008.6,715 h16 r90; DXF_0731 "R0603" at 5020,685 h30 r90; DXF_0731 "Approved" at 4903,685 h35 r90; DXF_0731 "RC0603JR-07510RL" at 4897,685 h20 r90; DXF_0731 "Sofer Lib Information" at 4743,528 h25 r90; DXF_0731 "Ref PN: ***" at 4793,558 h25 r90; DXF_0731 "Creat : Sofer Tech" at 4833,558 h25 r90; DXF_0731 "Date  : 2007-05-10" at 4873,558 h25 r90; DXF_0731 "Rev   : B1" at 4913,558 h25 r90; DXF_0731 "Remark: ***" at 4953,558 h25 r90
R57: DXF_0731 "Remark: ***" at 3186.1,423 h25 r90; DXF_0731 "Rev   : B1" at 3146.1,423 h25 r90; DXF_0731 "Date  : 2007-05-10" at 3106.1,423 h25 r90; DXF_0731 "Creat : Sofer Tech" at 3066.1,423 h25 r90; DXF_0731 "Ref PN: ***" at 3026.1,423 h25 r90; DXF_0731 "Sofer Lib Information" at 2976.1,393 h25 r90; DXF_0731 "RC0603JR-07510RL" at 3130.1,550 h20 r90; DXF_0731 "Approved" at 3136.1,550 h35 r90; DXF_0731 "R0603" at 3253.1,550 h30 r90; DXF_0731 "2" at 3241.7,580 h16 r90; DXF_0731 "1" at 3241.7,520 h16 r90
R58: DXF_0731 "Remark: ***" at 3370.1,677 h25 r270; DXF_0731 "Rev   : B1" at 3410.1,677 h25 r270; DXF_0731 "Date  : 2007-05-10" at 3450.1,677 h25 r270; DXF_0731 "Creat : Sofer Tech" at 3490.1,677 h25 r270; DXF_0731 "Ref PN: ***" at 3530.1,677 h25 r270; DXF_0731 "Sofer Lib Information" at 3580.1,707 h25 r270; DXF_0731 "RC0603JR-07510RL" at 3426.1,550 h20 r270; DXF_0731 "Approved" at 3420.1,550 h35 r270; DXF_0731 "R0603" at 3303.1,550 h30 r270; DXF_0731 "2" at 3314.5,520 h16 r270; DXF_0731 "1" at 3314.5,580 h16 r270
R59: DXF_0731 "Remark: ***" at 4953,433 h25 r90; DXF_0731 "Rev   : B1" at 4913,433 h25 r90; DXF_0731 "Date  : 2007-05-10" at 4873,433 h25 r90; DXF_0731 "Creat : Sofer Tech" at 4833,433 h25 r90; DXF_0731 "Ref PN: ***" at 4793,433 h25 r90; DXF_0731 "Sofer Lib Information" at 4743,403 h25 r90; DXF_0731 "RC0603JR-07510RL" at 4897,560 h20 r90; DXF_0731 "Approved" at 4903,560 h35 r90; DXF_0731 "R0603" at 5020,560 h30 r90; DXF_0731 "2" at 5008.6,590 h16 r90; DXF_0731 "1" at 5008.6,530 h16 r90
R60: DXF_0731 "1" at 835,468.6 h16 r180; DXF_0731 "2" at 775,468.6 h16 r180; DXF_0731 "R0603" at 805,480 h30 r180; DXF_0731 "Approved" at 805,363 h35 r180; DXF_0731 "RC0603JR-07510RL" at 805,357 h20 r180; DXF_0731 "Sofer Lib Information" at 962,203 h25 r180; DXF_0731 "Ref PN: ***" at 932,253 h25 r180; DXF_0731 "Creat : Sofer Tech" at 932,293 h25 r180; DXF_0731 "Date  : 2007-05-10" at 932,333 h25 r180; DXF_0731 "Rev   : B1" at 932,373 h25 r180; DXF_0731 "Remark: ***" at 932,413 h25 r180
R62: DXF_0731 "1" at 2640,466.4 h16; DXF_0731 "2" at 2700,466.4 h16; DXF_0731 "R0603" at 2670,455 h30; DXF_0731 "Approved" at 2670,572 h35; DXF_0731 "RC0603JR-07510RL" at 2670,578 h20; DXF_0731 "Sofer Lib Information" at 2513,732 h25; DXF_0731 "Ref PN: ***" at 2543,682 h25; DXF_0731 "Creat : Sofer Tech" at 2543,642 h25; DXF_0731 "Date  : 2007-05-10" at 2543,602 h25; DXF_0731 "Rev   : B1" at 2543,562 h25; DXF_0731 "Remark: ***" at 2543,522 h25
R63: DXF_0731 "Remark: ***" at 4953,293 h25 r90; DXF_0731 "Rev   : B1" at 4913,293 h25 r90; DXF_0731 "Date  : 2007-05-10" at 4873,293 h25 r90; DXF_0731 "Creat : Sofer Tech" at 4833,293 h25 r90; DXF_0731 "Ref PN: ***" at 4793,293 h25 r90; DXF_0731 "Sofer Lib Information" at 4743,263 h25 r90; DXF_0731 "RC0603JR-07510RL" at 4897,420 h20 r90; DXF_0731 "Approved" at 4903,420 h35 r90; DXF_0731 "R0603" at 5020,420 h30 r90; DXF_0731 "2" at 5008.6,450 h16 r90; DXF_0731 "1" at 5008.6,390 h16 r90
R64: DXF_0731 "1" at 3314.5,450 h16 r270; DXF_0731 "2" at 3314.5,390 h16 r270; DXF_0731 "R0603" at 3303.1,420 h30 r270; DXF_0731 "Approved" at 3420.1,420 h35 r270; DXF_0731 "RC0603JR-07510RL" at 3426.1,420 h20 r270; DXF_0731 "Sofer Lib Information" at 3580.1,577 h25 r270; DXF_0731 "Ref PN: ***" at 3530.1,547 h25 r270; DXF_0731 "Creat : Sofer Tech" at 3490.1,547 h25 r270; DXF_0731 "Date  : 2007-05-10" at 3450.1,547 h25 r270; DXF_0731 "Rev   : B1" at 3410.1,547 h25 r270; DXF_0731 "Remark: ***" at 3370.1,547 h25 r270
R65: DXF_0731 "Remark: ***" at 2541.1,462 h25; DXF_0731 "Rev   : B1" at 2541.1,502 h25; DXF_0731 "Date  : 2007-05-10" at 2541.1,542 h25; DXF_0731 "Creat : Sofer Tech" at 2541.1,582 h25; DXF_0731 "Ref PN: ***" at 2541.1,622 h25; DXF_0731 "Sofer Lib Information" at 2511.1,672 h25; DXF_0731 "RC0603JR-07510RL" at 2668.1,518 h20; DXF_0731 "Approved" at 2668.1,512 h35; DXF_0731 "R0603" at 2668.1,395 h30; DXF_0731 "2" at 2698.1,406.4 h16; DXF_0731 "1" at 2638.1,406.4 h16
R66: DXF_0731 "1" at 5003.6,225 h16 r90; DXF_0731 "2" at 5003.6,285 h16 r90; DXF_0731 "R0603" at 5015,255 h30 r90; DXF_0731 "Approved" at 4898,255 h35 r90; DXF_0731 "RC0603JR-07510RL" at 4892,255 h20 r90; DXF_0731 "Sofer Lib Information" at 4738,98 h25 r90; DXF_0731 "Ref PN: ***" at 4788,128 h25 r90; DXF_0731 "Creat : Sofer Tech" at 4828,128 h25 r90; DXF_0731 "Date  : 2007-05-10" at 4868,128 h25 r90; DXF_0731 "Rev   : B1" at 4908,128 h25 r90; DXF_0731 "Remark: ***" at 4948,128 h25 r90
R67: DXF_0731 "Remark: ***" at 2131.1,407 h25; DXF_0731 "Rev   : B1" at 2131.1,447 h25; DXF_0731 "Date  : 2007-05-10" at 2131.1,487 h25; DXF_0731 "Creat : Sofer Tech" at 2131.1,527 h25; DXF_0731 "Ref PN: ***" at 2131.1,567 h25; DXF_0731 "Sofer Lib Information" at 2101.1,617 h25; DXF_0731 "RC0603JR-07510RL" at 2258.1,463 h20; DXF_0731 "Approved" at 2258.1,457 h35; DXF_0731 "R0603" at 2258.1,340 h30; DXF_0731 "2" at 2288.1,351.4 h16; DXF_0731 "1" at 2228.1,351.4 h16
R68: DXF_0731 "Remark: ***" at 4226.1,188 h25 r90; DXF_0731 "Rev   : B1" at 4186.1,188 h25 r90; DXF_0731 "Date  : 2007-05-10" at 4146.1,188 h25 r90; DXF_0731 "Creat : Sofer Tech" at 4106.1,188 h25 r90; DXF_0731 "Ref PN: ***" at 4066.1,188 h25 r90; DXF_0731 "Sofer Lib Information" at 4016.1,158 h25 r90; DXF_0731 "RC0603JR-07510RL" at 4170.1,315 h20 r90; DXF_0731 "Approved" at 4176.1,315 h35 r90; DXF_0731 "R0603" at 4293.1,315 h30 r90; DXF_0731 "2" at 4281.7,345 h16 r90; DXF_0731 "1" at 4281.7,285 h16 r90
R69: DXF_0731 "Remark: ***" at 4440.1,442 h25 r270; DXF_0731 "Rev   : B1" at 4480.1,442 h25 r270; DXF_0731 "Date  : 2007-05-10" at 4520.1,442 h25 r270; DXF_0731 "Creat : Sofer Tech" at 4560.1,442 h25 r270; DXF_0731 "Ref PN: ***" at 4600.1,442 h25 r270; DXF_0731 "Sofer Lib Information" at 4650.1,472 h25 r270; DXF_0731 "RC0603JR-07510RL" at 4496.1,315 h20 r270; DXF_0731 "Approved" at 4490.1,315 h35 r270; DXF_0731 "R0603" at 4373.1,315 h30 r270; DXF_0731 "2" at 4384.5,285 h16 r270; DXF_0731 "1" at 4384.5,345 h16 r270
R70: DXF_0731 "Remark: ***" at 4500.1,442 h25 r270; DXF_0731 "Rev   : B1" at 4540.1,442 h25 r270; DXF_0731 "Date  : 2007-05-10" at 4580.1,442 h25 r270; DXF_0731 "Creat : Sofer Tech" at 4620.1,442 h25 r270; DXF_0731 "Ref PN: ***" at 4660.1,442 h25 r270; DXF_0731 "Sofer Lib Information" at 4710.1,472 h25 r270; DXF_0731 "RC0603JR-07510RL" at 4556.1,315 h20 r270; DXF_0731 "Approved" at 4550.1,315 h35 r270; DXF_0731 "R0603" at 4433.1,315 h30 r270; DXF_0731 "2" at 4444.5,285 h16 r270; DXF_0731 "1" at 4444.5,345 h16 r270
R71: DXF_0731 "Remark: ***" at 4602,442 h25 r270; DXF_0731 "Rev   : B1" at 4642,442 h25 r270; DXF_0731 "Date  : 2007-05-10" at 4682,442 h25 r270; DXF_0731 "Creat : Sofer Tech" at 4722,442 h25 r270; DXF_0731 "Ref PN: ***" at 4762,442 h25 r270; DXF_0731 "Sofer Lib Information" at 4812,472 h25 r270; DXF_0731 "RC0603JR-07510RL" at 4658,315 h20 r270; DXF_0731 "Approved" at 4652,315 h35 r270; DXF_0731 "R0603" at 4535,315 h30 r270; DXF_0731 "2" at 4546.4,285 h16 r270; DXF_0731 "1" at 4546.4,345 h16 r270
R72: DXF_0731 "Remark: ***" at 3137,432 h25 r270; DXF_0731 "Rev   : B1" at 3177,432 h25 r270; DXF_0731 "Date  : 2007-05-10" at 3217,432 h25 r270; DXF_0731 "Creat : Sofer Tech" at 3257,432 h25 r270; DXF_0731 "Ref PN: ***" at 3297,432 h25 r270; DXF_0731 "Sofer Lib Information" at 3347,462 h25 r270; DXF_0731 "RC0603JR-07510RL" at 3193,305 h20 r270; DXF_0731 "Approved" at 3187,305 h35 r270; DXF_0731 "R0603" at 3070,305 h30 r270; DXF_0731 "2" at 3081.4,275 h16 r270; DXF_0731 "1" at 3081.4,335 h16 r270
R73: DXF_0731 "1" at 2228.1,296.4 h16; DXF_0731 "2" at 2288.1,296.4 h16; DXF_0731 "R0603" at 2258.1,285 h30; DXF_0731 "Approved" at 2258.1,402 h35; DXF_0731 "RC0603JR-07510RL" at 2258.1,408 h20; DXF_0731 "Sofer Lib Information" at 2101.1,562 h25; DXF_0731 "Ref PN: ***" at 2131.1,512 h25; DXF_0731 "Creat : Sofer Tech" at 2131.1,472 h25; DXF_0731 "Date  : 2007-05-10" at 2131.1,432 h25; DXF_0731 "Rev   : B1" at 2131.1,392 h25; DXF_0731 "Remark: ***" at 2131.1,352 h25
R74: DXF_0731 "1" at 2574.5,295 h16 r270; DXF_0731 "2" at 2574.5,235 h16 r270; DXF_0731 "R0603" at 2563.1,265 h30 r270; DXF_0731 "Approved" at 2680.1,265 h35 r270; DXF_0731 "RC0603JR-07510RL" at 2686.1,265 h20 r270; DXF_0731 "Sofer Lib Information" at 2840.1,422 h25 r270; DXF_0731 "Ref PN: ***" at 2790.1,392 h25 r270; DXF_0731 "Creat : Sofer Tech" at 2750.1,392 h25 r270; DXF_0731 "Date  : 2007-05-10" at 2710.1,392 h25 r270; DXF_0731 "Rev   : B1" at 2670.1,392 h25 r270; DXF_0731 "Remark: ***" at 2630.1,392 h25 r270
R75: DXF_0731 "Remark: ***" at 3370.1,392 h25 r270; DXF_0731 "Rev   : B1" at 3410.1,392 h25 r270; DXF_0731 "Date  : 2007-05-10" at 3450.1,392 h25 r270; DXF_0731 "Creat : Sofer Tech" at 3490.1,392 h25 r270; DXF_0731 "Ref PN: ***" at 3530.1,392 h25 r270; DXF_0731 "Sofer Lib Information" at 3580.1,422 h25 r270; DXF_0731 "RC0603JR-07510RL" at 3426.1,265 h20 r270; DXF_0731 "Approved" at 3420.1,265 h35 r270; DXF_0731 "R0603" at 3303.1,265 h30 r270; DXF_0731 "2" at 3314.5,235 h16 r270; DXF_0731 "1" at 3314.5,295 h16 r270
R76: DXF_0731 "Remark: ***" at 2052,128 h25 r180; DXF_0731 "Rev   : B1" at 2052,88 h25 r180; DXF_0731 "Date  : 2007-05-10" at 2052,48 h25 r180; DXF_0731 "Creat : Sofer Tech" at 2052,8 h25 r180; DXF_0731 "Ref PN: ***" at 2052,-32 h25 r180; DXF_0731 "Sofer Lib Information" at 2082,-82 h25 r180; DXF_0731 "RC0603JR-07510RL" at 1925,72 h20 r180; DXF_0731 "Approved" at 1925,78 h35 r180; DXF_0731 "R0603" at 1925,195 h30 r180; DXF_0731 "2" at 1895,183.6 h16 r180; DXF_0731 "1" at 1955,183.6 h16 r180
R77: DXF_0731 "1" at 1986.4,130 h16 r270; DXF_0731 "2" at 1986.4,70 h16 r270; DXF_0731 "R0603" at 1975,100 h30 r270; DXF_0731 "Approved" at 2092,100 h35 r270; DXF_0731 "RC0603JR-07510RL" at 2098,100 h20 r270; DXF_0731 "Sofer Lib Information" at 2252,257 h25 r270; DXF_0731 "Ref PN: ***" at 2202,227 h25 r270; DXF_0731 "Creat : Sofer Tech" at 2162,227 h25 r270; DXF_0731 "Date  : 2007-05-10" at 2122,227 h25 r270; DXF_0731 "Rev   : B1" at 2082,227 h25 r270; DXF_0731 "Remark: ***" at 2042,227 h25 r270
R78: DXF_0731 "Remark: ***" at 1171.1,2468 h25 r180; DXF_0731 "Rev   : B1" at 1171.1,2428 h25 r180; DXF_0731 "Date  : 2007-05-10" at 1171.1,2388 h25 r180; DXF_0731 "Creat : Sofer Tech" at 1171.1,2348 h25 r180; DXF_0731 "Ref PN: ***" at 1171.1,2308 h25 r180; DXF_0731 "Sofer Lib Information" at 1141.1,2258 h25 r180; DXF_0731 "RC0603JR-07510RL" at 1298.1,2412 h20 r180; DXF_0731 "Approved" at 1298.1,2418 h35 r180; DXF_0731 "R0603" at 1298.1,2535 h30 r180; DXF_0731 "2" at 1328.1,2523.6 h16 r180; DXF_0731 "1" at 1268.1,2523.6 h16 r180
R79: DXF_0731 "1" at 1426.4,2460 h16 r270; DXF_0731 "2" at 1426.4,2520 h16 r270; DXF_0731 "R0603" at 1415,2490 h30 r270; DXF_0731 "Approved" at 1532,2490 h35 r270; DXF_0731 "RC0603JR-07510RL" at 1538,2490 h20 r270; DXF_0731 "Sofer Lib Information" at 1692,2333 h25 r270; DXF_0731 "Ref PN: ***" at 1642,2363 h25 r270; DXF_0731 "Creat : Sofer Tech" at 1602,2363 h25 r270; DXF_0731 "Date  : 2007-05-10" at 1562,2363 h25 r270; DXF_0731 "Rev   : B1" at 1522,2363 h25 r270; DXF_0731 "Remark: ***" at 1482,2363 h25 r270
R80: DXF_0731 "Remark: ***" at 973,2482 h25 r90; DXF_0731 "Rev   : B1" at 933,2482 h25 r90; DXF_0731 "Date  : 2007-05-10" at 893,2482 h25 r90; DXF_0731 "Creat : Sofer Tech" at 853,2482 h25 r90; DXF_0731 "Ref PN: ***" at 813,2482 h25 r90; DXF_0731 "Sofer Lib Information" at 763,2512 h25 r90; DXF_0731 "RC0603JR-07510RL" at 917,2355 h20 r90; DXF_0731 "Approved" at 923,2355 h35 r90; DXF_0731 "R0603" at 1040,2355 h30 r90; DXF_0731 "2" at 1028.6,2325 h16 r90; DXF_0731 "1" at 1028.6,2385 h16 r90
R81: DXF_0731 "1" at 880,2251.4 h16; DXF_0731 "2" at 820,2251.4 h16; DXF_0731 "R0603" at 850,2240 h30; DXF_0731 "Approved" at 850,2357 h35; DXF_0731 "RC0603JR-07510RL" at 850,2363 h20; DXF_0731 "Sofer Lib Information" at 1007,2517 h25; DXF_0731 "Ref PN: ***" at 977,2467 h25; DXF_0731 "Creat : Sofer Tech" at 977,2427 h25; DXF_0731 "Date  : 2007-05-10" at 977,2387 h25; DXF_0731 "Rev   : B1" at 977,2347 h25; DXF_0731 "Remark: ***" at 977,2307 h25
R82: DXF_0731 "1" at 978.6,2245 h16 r90; DXF_0731 "2" at 978.6,2185 h16 r90; DXF_0731 "R0603" at 990,2215 h30 r90; DXF_0731 "Approved" at 873,2215 h35 r90; DXF_0731 "RC0603JR-07510RL" at 867,2215 h20 r90; DXF_0731 "Sofer Lib Information" at 713,2372 h25 r90; DXF_0731 "Ref PN: ***" at 763,2342 h25 r90; DXF_0731 "Creat : Sofer Tech" at 803,2342 h25 r90; DXF_0731 "Date  : 2007-05-10" at 843,2342 h25 r90; DXF_0731 "Rev   : B1" at 883,2342 h25 r90; DXF_0731 "Remark: ***" at 923,2342 h25 r90
R83: DXF_0731 "Remark: ***" at 1148,2337 h25 r90; DXF_0731 "Rev   : B1" at 1108,2337 h25 r90; DXF_0731 "Date  : 2007-05-10" at 1068,2337 h25 r90; DXF_0731 "Creat : Sofer Tech" at 1028,2337 h25 r90; DXF_0731 "Ref PN: ***" at 988,2337 h25 r90; DXF_0731 "Sofer Lib Information" at 938,2367 h25 r90; DXF_0731 "RC0603JR-07510RL" at 1092,2210 h20 r90; DXF_0731 "Approved" at 1098,2210 h35 r90; DXF_0731 "R0603" at 1215,2210 h30 r90; DXF_0731 "2" at 1203.6,2180 h16 r90; DXF_0731 "1" at 1203.6,2240 h16 r90
R84: DXF_0731 "Remark: ***" at 1862,2012 h25; DXF_0731 "Rev   : B1" at 1862,2052 h25; DXF_0731 "Date  : 2007-05-10" at 1862,2092 h25; DXF_0731 "Creat : Sofer Tech" at 1862,2132 h25; DXF_0731 "Ref PN: ***" at 1862,2172 h25; DXF_0731 "Sofer Lib Information" at 1892,2222 h25; DXF_0731 "RC0603JR-07510RL" at 1735,2068 h20; DXF_0731 "Approved" at 1735,2062 h35; DXF_0731 "R0603" at 1735,1945 h30; DXF_0731 "2" at 1705,1956.4 h16; DXF_0731 "1" at 1765,1956.4 h16
R85: DXF_0731 "2" at 1628.6,1950 h16 r180; DXF_0731 "1" at 1558.6,1950 h16 r180; DXF_0731 "Approved" at 1488,1950 h35 r180; DXF_0731 "R0805" at 1540,2025 h30 r180